# KiCad board BPS-Leader.kicad_pcb
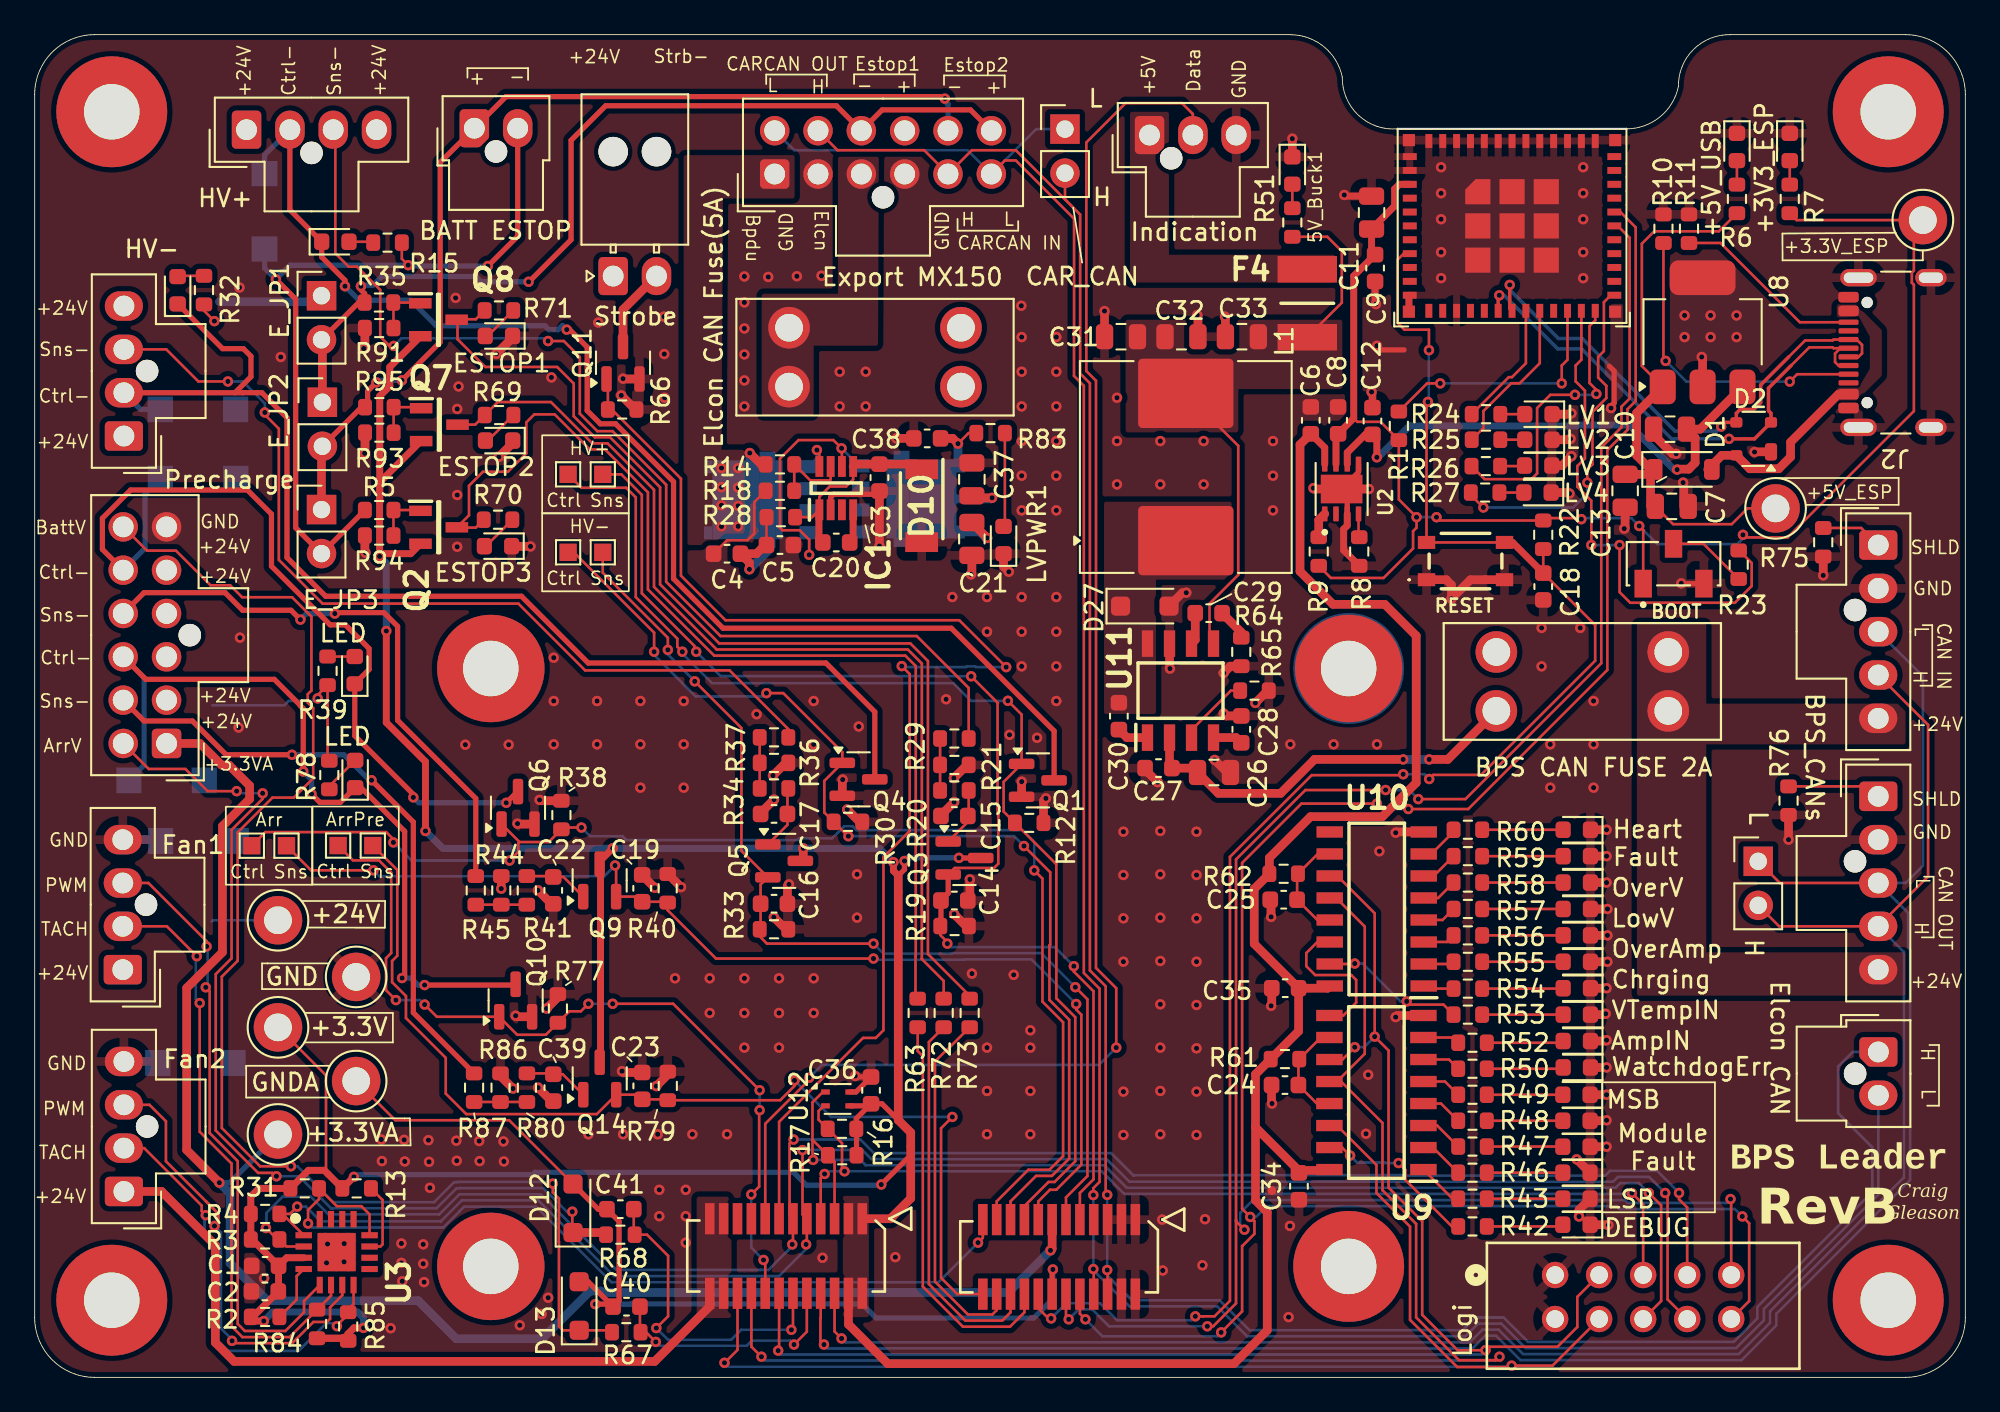
[diagram p0: board, top side]
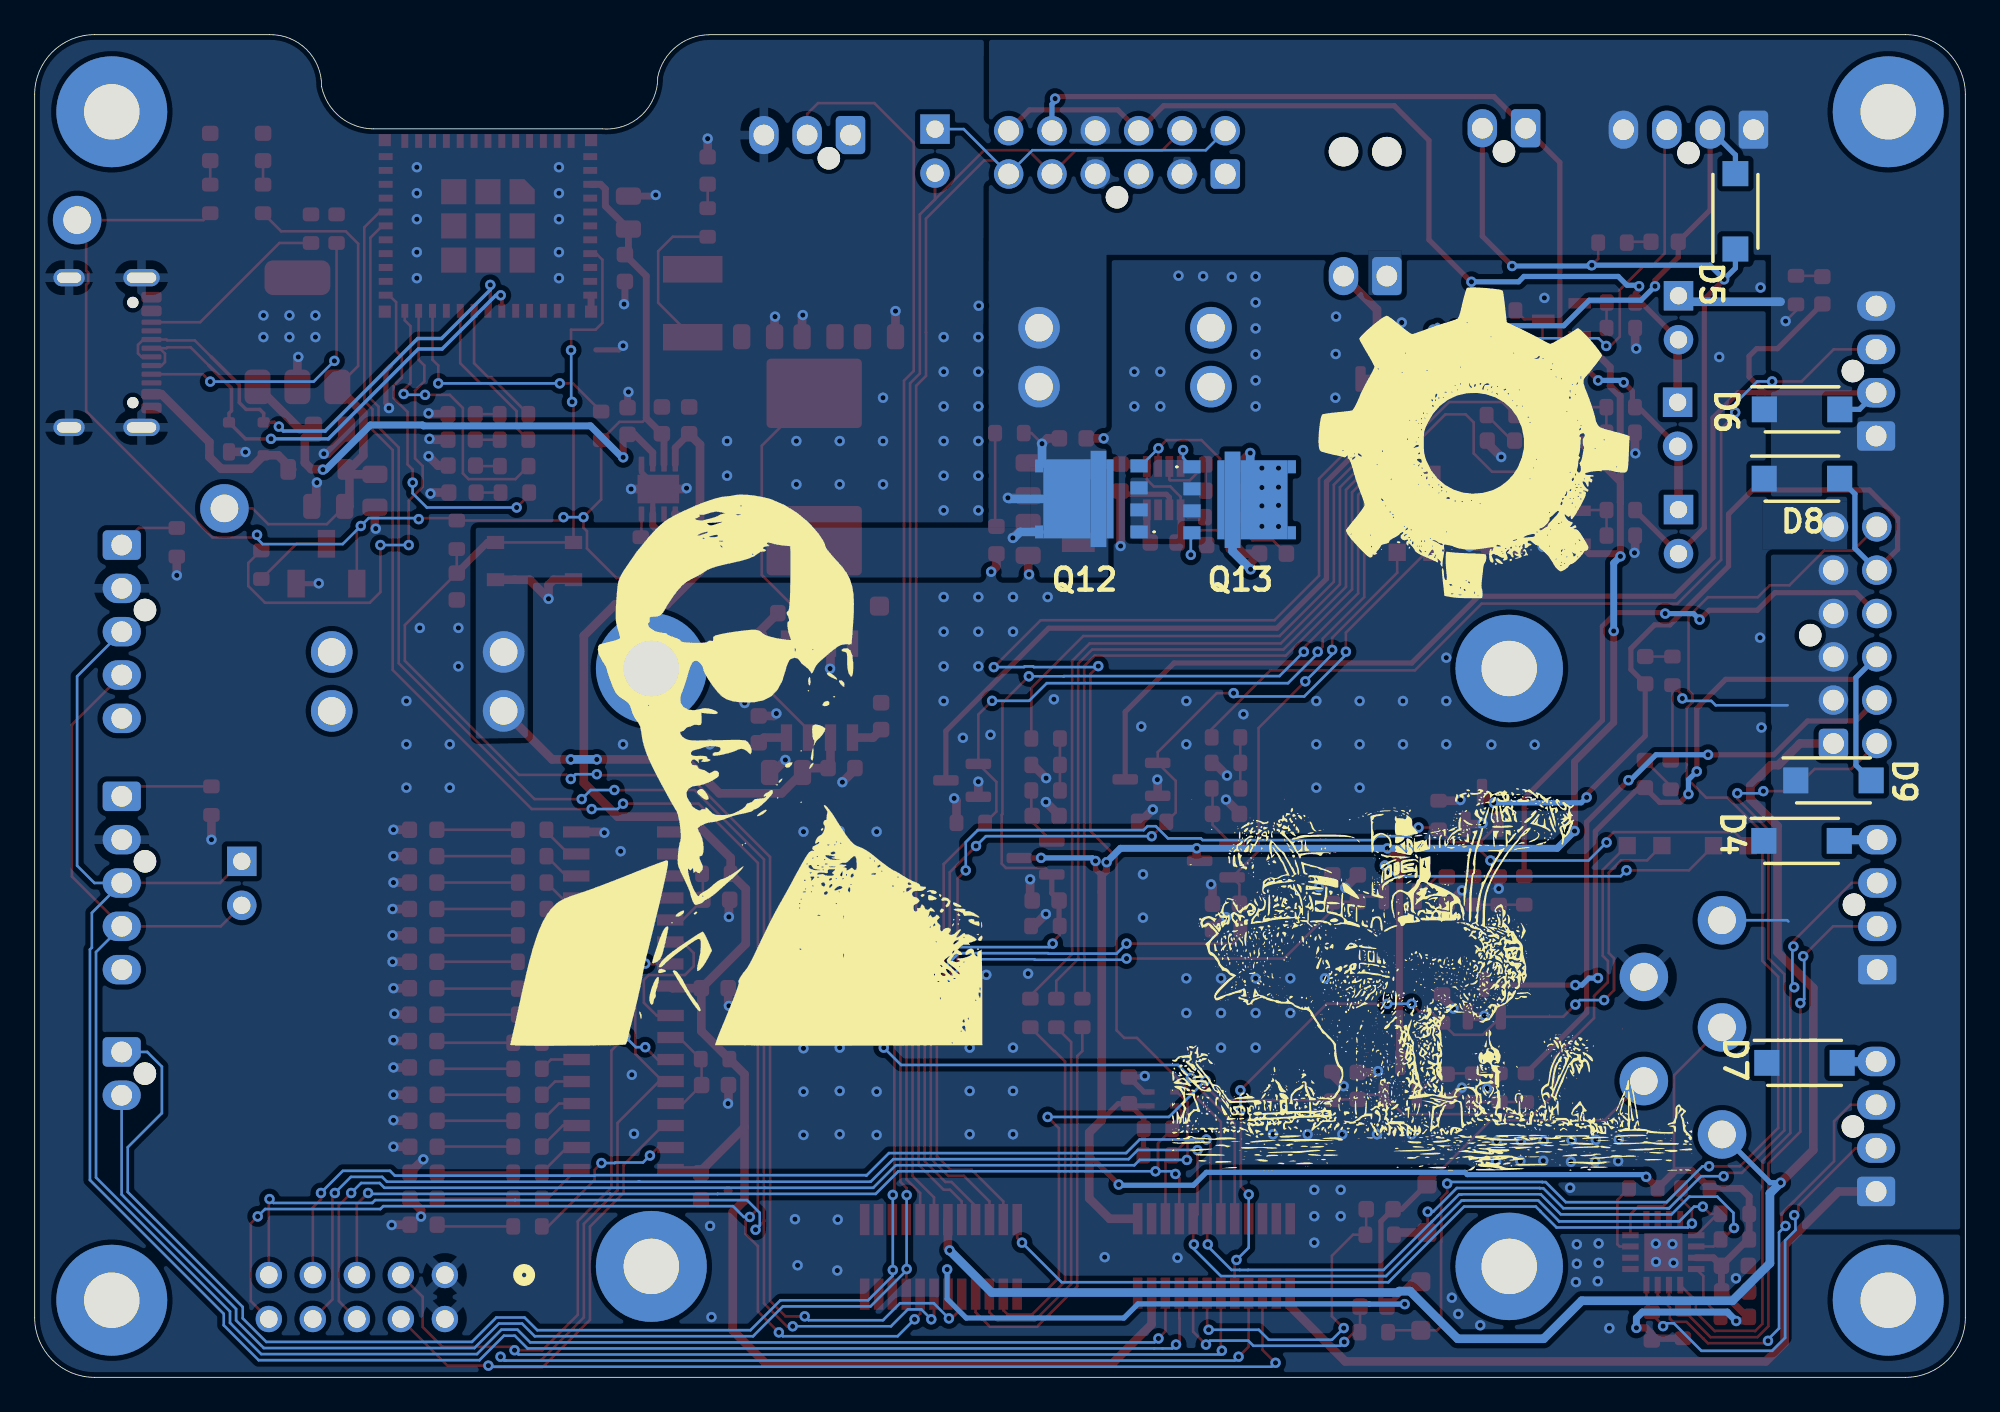
[diagram p1: board, bottom side, seen from below]

Outline 111.4 x 77.48 mm; copper layers: Top, Bottom. Coordinates in mm from the lower left corner of the outline.
Outline path: 72.45,77.48 3.45,77.48 arc(1.01,76.46) 0,74.03 0,3.45 arc(1.01,1.01) 3.45,0 107.95,0 arc(110.39,1.01) 111.4,3.45 111.4,74.03 arc(110.39,76.46) 107.95,77.48 97.84,77.48 ; 72.45,77.47 arc(74.39,76.78) 75.45,75.03 arc(76.38,72.82) 78.64,72.04 91.85,72.04 arc(93.78,72.73) 94.85,74.49 arc(95.71,76.62) 97.85,77.48
Stack: Top 0.035mm / dielectric 1.51mm FR4 er 4.5 / Bottom 0.035mm

## Placement (name value [footprint] x y rotation side)
5V_Buck1  5V_Buck  [LED_0603_1608Metric]  72.57 69.64 270 top
Array1  LED  [LED_0603_1608Metric]  18.47 40.81 90 top
ArrayPre1  LED  [LED_0603_1608Metric]  18.49 34.82 90 top
C1  1u  [C_0603_1608Metric]  13.3 6.43 180 top
C2  1u  [C_0603_1608Metric]  13.28 4.96 180 top
C3  1u  [C_0603_1608Metric]  48.74 51.92 90 top
C4  0.1u  [C_0603_1608Metric]  39.95 47.53 180 top
C5  1u  [C_0603_1608Metric]  43 48.03 0 top
C6  0.1u  [C_0603_1608Metric]  73.63 55.22 90 top
C7  10u  [C_0805_2012Metric]  94.46 50.26 0 top
C8  0.1u  [C_0603_1608Metric]  75.21 55.22 90 top
C9  0.1u  [C_0603_1608Metric]  77.34 64.01 270 top
C10  10u  [C_0805_2012Metric]  94.36 54.71 180 top
C11  10u  [C_0805_2012Metric]  77.14 67.21 90 top
C12  0.1u  [C_0603_1608Metric]  77.19 55.18 90 top
C13  10u  [C_0805_2012Metric]  91.77 51.16 270 top
C14  1u  [C_0603_1608Metric]  53.07 27.51 180 top
C15  0.1u  [C_0603_1608Metric]  53.07 32.39 0 top
C16  1u  [C_0603_1608Metric]  42.66 27.33 180 top
C17  0.1u  [C_0603_1608Metric]  42.66 32.51 0 top
C18  0.1u  [C_0603_1608Metric]  87.05 45.63 270 top
C19  1u  [C_0603_1608Metric]  35.05 28.22 270 top
C20  220n  [C_0603_1608Metric]  46.25 48.17 0 top
C21  10u  [C_0805_2012Metric]  54.08 48.38 270 top
C22  0.1u  [C_0603_1608Metric]  29.92 28.1 90 top
C23  1u  [C_0603_1608Metric]  35.06 16.82 270 top
C24  0.1u  [C_0603_1608Metric]  72.14 16.87 180 top
C25  0.1u  [C_0603_1608Metric]  72.07 27.56 180 top
C26  10u  [C_0805_2012Metric]  68.05 34.9 0 top
C27  1u  [C_0603_1608Metric]  64.85 35.15 180 top
C28  10n  [C_0603_1608Metric]  69.62 37.39 90 top
C29  3.3n  [C_0603_1608Metric]  67.74 44.09 0 top
C30  0.1u  [C_0603_1608Metric]  62.56 38.15 90 top
C31  10u  [C_0805_2012Metric]  62.68 60.05 180 top
C32  10u  [C_0805_2012Metric]  66.17 60.05 0 top
C33  10u  [C_0805_2012Metric]  69.66 60.05 180 top
C34  0.1u  [C_0603_1608Metric]  72.95 11.03 270 top
C35  0.1u  [C_0603_1608Metric]  72.16 22.45 180 top
C36  1u  [C_0603_1608Metric]  48.26 16.56 90 top
C37  10u  [C_0805_2012Metric]  54.08 51.82 90 top
C38  0.1u  [C_0603_1608Metric]  51.5 54.18 180 top
C39  0.1u  [C_0603_1608Metric]  29.93 16.71 90 top
C40  0.1u  [C_0603_1608Metric]  34.15 4.08 0 top
C41  0.1u  [C_0603_1608Metric]  33.79 9.7 0 top
D1  1N5819HW-7-F  [D_SOD-123]  95.12 52.39 0 top
D2  SP0503BAHT  [SOT-143]  99.19 54.15 180 top
D3  PWR  [LED_0603_1608Metric]  98.22 70.99 270 top
D4  VSSAF522-M3/H  [SODFL5226X100N]  9.45 30.96 180 bottom
D5  VSSAF522-M3/H  [SODFL5226X100N]  13.27 67.28 90 bottom
D6  VSSAF522-M3/H  [SODFL5226X100N]  9.42 55.86 180 bottom
D7  VSSAF522-M3/H  [SODFL5226X100N]  9.28 18.15 180 bottom
D8  VSSAF522-M3/H  [SODFL5226X100N]  9.43 51.86 180 bottom
D9  VSSAF522-M3/H  [SODFL5226X100N]  7.61 34.45 180 bottom
D10  SMAF4758A  [SODFL4724X108N]  51.18 50.29 270 top
D11  PWR  [LED_0603_1608Metric]  101.27 70.99 270 top
D12  TVS  [D_SOD-123F]  31.06 9.75 90 top
D13  TVS  [D_SOD-123F]  31.42 4.12 90 top
D14  DEBUG  [LED_0603_1608Metric]  88.96 8.81 180 top
D15  ModuleFault[0]  [LED_0603_1608Metric]  88.96 10.31 180 top
D16  ModuleFault[1]  [LED_0603_1608Metric]  88.96 11.81 180 top
D17  ModuleFault[2]  [LED_0603_1608Metric]  88.96 13.31 180 top
D18  ModuleFault[3]  [LED_0603_1608Metric]  88.96 14.81 180 top
D19  ModuleFault[4]  [LED_0603_1608Metric]  88.96 16.31 180 top
D20  WatchdogErr  [LED_0603_1608Metric]  88.98 17.88 180 top
D21  AmpIN  [LED_0603_1608Metric]  88.98 19.41 180 top
D22  VTempIN  [LED_0603_1608Metric]  88.98 20.93 180 top
D23  Chrging  [LED_0603_1608Metric]  88.98 22.45 180 top
D24  OverTemp  [LED_0603_1608Metric]  88.98 23.98 180 top
D25  OverAmp  [LED_0603_1608Metric]  88.98 25.5 180 top
D26  LowV  [LED_0603_1608Metric]  88.98 27.03 180 top
D27  MBR230S1F  [D_SOD-123F]  64.06 44.5 0 top
D28  Fault  [LED_0603_1608Metric]  88.98 30.07 180 top
D29  Heart  [LED_0603_1608Metric]  88.98 31.6 180 top
D30  OverV  [LED_0603_1608Metric]  88.98 28.55 180 top
D31  HV-  [LED_0603_1608Metric]  8.25 62.73 90 top
D32  HV+  [LED_0603_1608Metric]  17.35 65.53 0 top
E_JP1  Jumper_2_Open  [PinHeader_1x02_P2.54mm_Vertical]  16.55 62.41 0 top
E_JP2  Jumper_2_Open  [PinHeader_1x02_P2.54mm_Vertical]  16.6 56.26 0 top
E_JP3  Jumper_2_Open  [PinHeader_1x02_P2.54mm_Vertical]  16.55 50.07 0 top
ESTOP1  LED  [LED_0603_1608Metric]  26.79 60.09 180 top
ESTOP2  LED  [LED_0603_1608Metric]  26.8 54.05 180 top
ESTOP3  LED  [LED_0603_1608Metric]  26.74 47.96 180 top
F2  -  [3568]  48.49 58.87 0 top
F3  -  [3568]  89.3 40.16 180 top
F4  SMD1812B300TFT  [FUSC4632X165N]  73.43 61.98 90 top
FAN1  Conn_01x04  [Molex_Nano-Fit_105309-xx04_1x04_P2.50mm_Vertical]  5.09 23.53 180 top
FAN2  Conn_01x04  [Molex_Nano-Fit_105309-xx04_1x04_P2.50mm_Vertical]  5.15 10.73 180 top
H1  MountingHole_Pad  [MountingHole_3.2mm_M3_Pad_TopBottom]  4.45 4.45 0 top
H2  MountingHole_Pad  [MountingHole_3.2mm_M3_Pad_TopBottom]  4.45 73.03 0 top
H3  MountingHole_Pad  [MountingHole_3.2mm_M3_Pad_TopBottom]  106.95 4.45 0 top
H4  MountingHole_Pad  [MountingHole_3.2mm_M3_Pad_TopBottom]  106.95 73.03 0 top
IC1  LM74502HDDFR  [SOT65P280X110-8N]  46.25 51.31 90 top
J1  ~  [LeaderSOM]  51.23 0.95 180 top
J2  USB_C_Receptacle_USB2.0_16P  [USB_C_Receptacle_GCT_USB4105-xx-A_16P_TopMnt_Horizontal]  108.34 59.13 90 top
J3  Conn_01x02  [Molex_Nano-Fit_105313-xx02_1x02_P2.50mm_Horizontal]  33.38 63.55 90 top
J5  Conn_02x06_Counter_Clockwise  [Molex_Nano-Fit_105310-xx12_2x06_P2.50mm_Vertical]  42.7 69.43 90 top
J6  ContactorConnector  [Molex_Nano-Fit_105309-xx04_1x04_P2.50mm_Vertical#2]  15.3 71.73 90 top
J8  CarCANConnector  [Molex_Nano-Fit_105309-xx02_1x02_P2.50mm_Vertical]  106.38 18.78 0 top
J9  ContactorConnector  [Molex_Nano-Fit_105309-xx04_1x04_P2.50mm_Vertical#2]  5.41 57.39 180 top
J10  Conn_01x02  [Molex_Nano-Fit_105309-xx02_1x02_P2.50mm_Vertical]  25.37 72.08 90 top
J11  Conn_02x06_Counter_Clockwise  [Molex_Nano-Fit_105310-xx12_2x06_P2.50mm_Vertical]  7.61 36.58 180 top
J15  Conn_01x05  [Molex_Nano-Fit_105309-xx05_1x05_P2.50mm_Vertical]  106.38 48.03 0 top
J16  Conn_01x05  [Molex_Nano-Fit_105309-xx05_1x05_P2.50mm_Vertical]  106.38 33.53 0 top
J18  Conn_01x03  [Molex_Nano-Fit_105309-xx03_1x03_P2.50mm_Vertical]  64.33 71.68 90 top
J21  SFH11-PBPC-D05-ST-BK  [CONN_SFH11-xxxC-D05-ST-XX_SUL]  87.73 5.91 0 top
L1  100uH  [L_Coilcraft_MSS1246-XXX]  66.42 52.53 90 top
LOGO1  LHRs  [LHRs_LOGO]  68.24 54.84 180 bottom
LOGO2  Dr. Hallock  [Hallock_Image]  71.45 35.43 180 bottom
LOGO3  -  [Beach]  30.77 23.58 180 bottom
LOGO4  -  [Gear]  27.34 53.94 180 bottom
LV1  LED  [LED_0603_1608Metric]  86.77 55.58 180 top
LV2  LED  [LED_0603_1608Metric]  86.77 54.1 180 top
LV3  LED  [LED_0603_1608Metric]  86.75 52.61 180 top
LV4  LED  [LED_0603_1608Metric]  86.71 51.05 180 top
LVPWR1  LED  [LED_0603_1608Metric]  55.9 48.31 90 top
Q1  IRLML0030  [SOT-23]  57.89 34.45 0 top
Q2  SQ2315CES-T1_GE3  [SOT95P237X112-3N]  23.31 49.05 0 top
Q3  IRLML0030  [SOT-23]  53.65 29.97 0 top
Q4  IRLML0030  [SOT-23]  47.54 34.5 0 top
Q5  IRLML0030  [SOT-23]  43.24 29.8 0 top
Q6  IRLML0030  [SOT-23]  27.89 32.86 90 top
Q7  SQ2315CES-T1_GE3  [SOT95P237X112-3N]  23.35 54.97 0 top
Q8  SQ2315CES-T1_GE3  [SOT95P237X112-3N]  23.3 61.03 0 top
Q9  IRLML0030  [SOT-23]  32.6 28.67 90 top
Q10  IRLML0030  [SOT-23]  27.75 21.74 90 top
Q11  IRLML0030  [SOT-23]  33.95 58.54 90 top
Q12  NVMFWS1D7N04XMT1G  [NVMFWS3D0P04M8LT1G]  50.43 50.69 90 bottom
Q13  NVMFWS1D7N04XMT1G  [NVMFWS3D0P04M8LT1G]  41.88 50.64 270 bottom
Q14  IRLML0030  [SOT-23]  32.6 17.25 90 top
R1  10k  [R_0603_1608Metric]  78.71 54.9 90 top
R2  33k  [R_0603_1608Metric]  13.3 3.49 0 top
R3  10k  [R_0603_1608Metric]  13.3 7.96 0 top
R4  10k  [R_0603_1608Metric]  13.3 9.43 0 top
R5  33k  [R_0603_1608Metric]  19.88 50.04 180 top
R6  1k  [R_0603_1608Metric]  98.22 68 90 top
R7  470  [R_0603_1608Metric]  101.27 68 90 top
R8  1k  [R_0603_1608Metric]  76.43 47.65 270 top
R9  10k  [R_0603_1608Metric]  74.09 47.65 90 top
R10  5.1k  [R_0603_1608Metric]  93.98 66.28 90 top
R11  5.1k  [R_0603_1608Metric]  95.45 66.28 90 top
R12  10k  [R_0603_1608Metric]  57.39 31.99 180 top
R13  33k  [R_0603_1608Metric]  18.58 10.9 0 top
R14  200k  [R_0603_1608Metric]  43 52.68 0 top
R15  4.3k  [R_0603_1608Metric]  20.36 65.48 0 top
R16  10k  [R_0603_1608Metric]  46.58 14.34 180 top
R17  10k  [R_0603_1608Metric]  46.6 12.81 180 top
R18  9k  [R_0603_1608Metric]  43 51.16 180 top
R19  10k  [R_0603_1608Metric]  53.08 26.04 0 top
R20  1k  [R_0603_1608Metric]  53.07 33.86 180 top
R21  10k  [R_0603_1608Metric]  53.07 35.34 180 top
R22  10k  [R_0603_1608Metric]  87.05 48.62 270 top
R23  10k  [R_0603_1608Metric]  98.32 46.89 90 top
R24  470  [R_0603_1608Metric]  83.74 55.58 0 top
R25  470  [R_0603_1608Metric]  83.74 54.1 0 top
R26  470  [R_0603_1608Metric]  83.73 52.58 0 top
R27  470  [R_0603_1608Metric]  83.69 51.05 0 top
R28  10k  [R_0603_1608Metric]  43.05 49.63 0 top
R29  10k  [R_0603_1608Metric]  53.07 36.86 0 top
R30  10k  [R_0603_1608Metric]  46.93 32.05 180 top
R31  10k  [R_0603_1608Metric]  15.58 10.9 0 top
R32  4.3k  [R_0603_1608Metric]  9.77 62.74 270 top
R33  10k  [R_0603_1608Metric]  42.66 25.85 0 top
R34  1k  [R_0603_1608Metric]  42.66 33.98 180 top
R35  33k  [R_0603_1608Metric]  19.87 62.02 180 top
R36  10k  [R_0603_1608Metric]  42.66 35.46 180 top
R37  10k  [R_0603_1608Metric]  42.66 36.93 0 top
R38  10k  [R_0603_1608Metric]  30.39 32.44 270 top
R39  4.3k  [R_0603_1608Metric]  16.9 40.77 270 top
R40  10k  [R_0603_1608Metric]  36.53 28.22 90 top
R41  1k  [R_0603_1608Metric]  28.4 28.1 270 top
R42  470  [R_0603_1608Metric]  82.96 8.71 0 top
R43  470  [R_0603_1608Metric]  82.96 10.31 0 top
R44  10k  [R_0603_1608Metric]  26.92 28.1 270 top
R45  10k  [R_0603_1608Metric]  25.45 28.1 90 top
R46  470  [R_0603_1608Metric]  82.96 11.81 0 top
R47  470  [R_0603_1608Metric]  82.96 13.32 0 top
R48  470  [R_0603_1608Metric]  82.96 14.81 0 top
R49  470  [R_0603_1608Metric]  82.96 16.31 0 top
R50  470  [R_0603_1608Metric]  82.96 17.81 0 top
R51  1k  [R_0603_1608Metric]  72.57 66.64 90 top
R52  470  [R_0603_1608Metric]  82.96 19.31 0 top
R53  470  [R_0603_1608Metric]  82.7 20.93 0 top
R54  470  [R_0603_1608Metric]  82.7 22.43 0 top
R55  470  [R_0603_1608Metric]  82.7 23.98 0 top
R56  470  [R_0603_1608Metric]  82.7 25.5 0 top
R57  470  [R_0603_1608Metric]  82.7 27.03 0 top
R58  470  [R_0603_1608Metric]  82.7 28.55 0 top
R59  470  [R_0603_1608Metric]  82.7 30.07 0 top
R60  470  [R_0603_1608Metric]  82.7 31.6 0 top
R61  10k  [R_0603_1608Metric]  72.14 18.36 0 top
R62  10k  [R_0603_1608Metric]  72.07 29.06 0 top
R63  10k  [R_0603_1608Metric]  50.95 21.03 270 top
R64  16k  [R_0603_1608Metric]  69.62 41.86 270 top
R65  ROSC  [R_0603_1608Metric]  70.38 39.62 0 top  (not fitted)
R66  10k  [R_0603_1608Metric]  33.9 55.85 0 top
R67  1k  [R_0603_1608Metric]  34.14 2.61 180 top
R68  1k  [R_0603_1608Metric]  33.79 8.23 180 top
R69  470  [R_0603_1608Metric]  26.8 55.53 0 top
R70  470  [R_0603_1608Metric]  26.74 49.49 0 top
R71  470  [R_0603_1608Metric]  26.79 61.56 0 top
R72  10k  [R_0603_1608Metric]  52.45 21.03 270 top
R73  10k  [R_0603_1608Metric]  53.95 21.03 270 top
R75  0  [R_0603_1608Metric]  103.2 48.19 90 top
R76  0  [R_0603_1608Metric]  101.2 33.28 90 top
R77  10k  [R_0603_1608Metric]  30.19 21.29 270 top
R78  4.3k  [R_0603_1608Metric]  17 34.76 90 top
R79  10k  [R_0603_1608Metric]  36.53 16.82 90 top
R80  1k  [R_0603_1608Metric]  28.4 16.71 270 top
R83  4.3k  [R_0603_1608Metric]  55.16 54.48 0 top
R84  10k  [R_0603_1608Metric]  16.29 3.08 90 top
R85  10k  [R_0603_1608Metric]  18.09 2.94 90 top
R86  10k  [R_0603_1608Metric]  26.88 16.71 270 top
R87  10k  [R_0603_1608Metric]  25.36 16.71 90 top
R91  10k  [R_0603_1608Metric]  19.88 60.55 0 top
R93  10k  [R_0603_1608Metric]  19.89 54.51 0 top
R94  10k  [R_0603_1608Metric]  19.88 48.57 0 top
R95  33k  [R_0603_1608Metric]  19.89 55.98 180 top
SW1  RESET  [TL3365AF180QG]  82.56 47.1 0 top
SW2  BOOT  [SW_CJS-1200TA]  94.56 46.95 0 top
TP1  +3.3VA  [TestPoint_Keystone_5005-5009_Compact]  14.04 14.02 180 top
TP2  CanTestPoint  [PinHeader_1x02_P2.54mm_Vertical]  99.45 29.78 0 top
TP3  CanTestPoint  [PinHeader_1x02_P2.54mm_Vertical]  59.45 72.03 0 top
TP4  HV+Ctrl  [TestPoint_Pad_1.0x1.0mm]  30.78 52.11 270 top
TP5  GNDA  [TestPoint_Keystone_5005-5009_Compact]  18.55 17.09 180 top
TP7  HV+Sns  [TestPoint_Pad_1.0x1.0mm]  32.78 52.11 270 top
TP9  HV-Ctrl  [TestPoint_Pad_1.0x1.0mm]  30.78 47.61 0 top
TP11  HV-Sns  [TestPoint_Pad_1.0x1.0mm]  32.78 47.61 180 top
TP13  ArrCtrl  [TestPoint_Pad_1.0x1.0mm]  12.53 30.68 270 top
TP14  ArrSns  [TestPoint_Pad_1.0x1.0mm]  14.53 30.68 270 top
TP16  ArrPreCtrl  [TestPoint_Pad_1.0x1.0mm]  17.51 30.69 270 top
TP17  ArrPreSns  [TestPoint_Pad_1.0x1.0mm]  19.51 30.69 90 top
TP30  GND  [TestPoint_Keystone_5005-5009_Compact]  18.55 23.11 180 top
TP31  +3.3V  [TestPoint_Keystone_5005-5009_Compact]  14.04 20.2 180 top
TP33  +24V  [TestPoint_Keystone_5005-5009_Compact]  14.04 26.38 0 top
TP47  +3.3V_ESP  [TestPoint_Keystone_5005-5009_Compact]  108.95 66.78 0 top
TP48  +5V_USB  [TestPoint_Keystone_5005-5009_Compact]  100.45 50.14 0 top
U1  ESP32-C6-MINI-1/U  [ESP32-C6-MINI-1]  85.24 69.14 0 top
U2  TPS2115ADRBR  [SON65P300X300X100-9N]  75.41 51.26 90 top
U3  EMC2305-1-AP-TR  [QFN65P400X400X90-17N-D]  17.42 7.23 0 top
U8  LT1963AEST-3.3#TRPBF  [SOT-223-3_TabPin2]  96.24 60.3 90 top
U9  SN74HC594DR  [SOIC127P600X175-16N]  77.42 16.43 180 top
U10  SN74HC594DR  [SOIC127P600X175-16N]  77.44 27.03 180 top
U11  -  [TPS5405DR]  66.12 39.62 90 top
U12  SHT4x  [Sensirion_DFN-4_1.5x1.5mm_P0.8mm_SHT4x_NoCentralPad]  46.33 16.07 0 top

## Library data of the parts
5V_Buck1 D15-D19 LV1-LV4 = -: Datasheet: https://www.lcsc.com/datasheet/C84263.pdf; Description: Light emitting diode; Sim.Pins: 1=K 2=A; Manufactuerer: NATIONSTAR; P/N: NCD0603R1; LCSC: C7371904; ki_fp_filters: LED* LED_SMD:* LED_THT:*
Array1 ArrayPre1 D14 D20-D22 D31 D32 ESTOP1-ESTOP3 = -: Datasheet: https://www.lcsc.com/datasheet/C84263.pdf; Description: Light emitting diode; Sim.Pins: 1=K 2=A; Manufactuerer: NATIONSTAR; P/N: NCD0603R1; LCSC: C84263; ki_fp_filters: LED* LED_SMD:* LED_THT:*
C1 C2 = -: Datasheet: https://ds.yuden.co.jp/TYCOMPAS/or/download?pn=MLAST063SCG681JFNA01&fileType=CA; Description: Unpolarized capacitor, small symbol; P/N: MLASU168SB5105KTNA01; Manufactuerer: TAIYO YUDEN; LCSC: C15849; ki_fp_filters: C_*
C3 C14 C16 C19 C23 = -: Description: Unpolarized capacitor; P/N: UMK107BJ105KA-T; Mouser Part Number: 963-UMK107BJ105KA-T; LCSC: C15849; ki_fp_filters: C_*
C4 C15 C17 C22 C38-C41 = -: Description: Unpolarized capacitor; P/N: HMK107B7104KA-T; Mouser Part Number: 963-HMK107B7104KA-T; LCSC: C14663; ki_fp_filters: C_*
C5 = -: Description: Unpolarized capacitor; P/N: HMK107B7104KA-T; Mouser Part Number: 963-HMK107B7104KA-T; LCSC: C15849; ki_fp_filters: C_*
C6 C8 C12 C30 = -: Datasheet: https://ds.yuden.co.jp/TYCOMPAS/or/download?pn=MLAST063SCG681JFNA01&fileType=CA; Description: Unpolarized capacitor; P/N: MLASH168SB7104KTNA01; Manufactuerer: TAIYO YUDEN; LCSC: C14663; ki_fp_filters: C_*
C7 C10 C13 C26 C31-C33 = -: Datasheet: https://www.mouser.com/datasheet/3/76/1/GRM21BR61H106KE43_01A.pdf; Description: Unpolarized capacitor; P/N: GRM21BR61H106KE43K; Manufactuerer: Murata Electronics; LCSC: C440198; ki_fp_filters: C_*
C9 C18 C24 C25 C34 C35 = -: Datasheet: https://ds.yuden.co.jp/TYCOMPAS/or/download?pn=MLAST063SCG681JFNA01&fileType=CA; Description: Unpolarized capacitor; Manufactuerer: TAIYO YUDEN; P/N: MLASH168SB7104KTNA01; LCSC: C14663; ki_fp_filters: C_*
C11 = -: Datasheet: https://www.mouser.com/datasheet/3/76/1/GRM21BR61H106KE43_01A.pdf; Description: Unpolarized capacitor; Manufactuerer: Murata Electronics; P/N: GRM21BR61H106KE43K; LCSC: C440198; ki_fp_filters: C_*
C20 = -: Description: Unpolarized capacitor; P/N: MSASU168SB7224KTNB25; Mouser Part Number: 963-MSASU168SB7224KT; LCSC: C344195; ki_fp_filters: C_*
C21 C37 = -: Description: Unpolarized capacitor; P/N: GRM21BR61H106KE43K; Mouser Part Number: 81-GRM21BR61H106KE3K; LCSC: C440198; ki_fp_filters: C_*
C27 = -: Datasheet: https://ds.yuden.co.jp/TYCOMPAS/or/download?pn=MLAST063SCG681JFNA01&fileType=CA; Description: Unpolarized capacitor; P/N: MLASU168SB5105KTNA01; Manufactuerer: TAIYO YUDEN; LCSC: C15849; ki_fp_filters: C_*
C28 = -: Datasheet: https://www.mouser.com/catalog/specsheets/Tayio_Yuden_1102023_MS_mlcc_all_e.pdf; Description: Unpolarized capacitor; P/N: MSASH168SB5103KTNA01; Manufactuerer: TAIYO YUDEN; LCSC: C57112; ki_fp_filters: C_*
C29 = -: Datasheet: https://datasheets.kyocera-avx.com/AutoMLCCKAM.pdf; Description: Unpolarized capacitor; P/N: 06035C332K4T2A; Manufactuerer: KYOCERA AVX; LCSC: C107088; ki_fp_filters: C_*
C36 = -: Datasheet: https://ds.yuden.co.jp/TYCOMPAS/or/download?pn=MLAST063SCG681JFNA01&fileType=CA; Description: Unpolarized capacitor; Manufactuerer: TAIYO YUDEN; P/N: MLASU168SB5105KTNA01; LCSC: C15849; ki_fp_filters: C_*
D1 = -: Datasheet: https://4donline.ihs.com/images/VipMasterIC/IC/DIOD/DIOD-S-A0011437026/DIOD-S-A0011683586-1.pdf?hkey=CECEF36DEECDED6468708AAF2E19C0C6; Description: Schottky diode; Manufactuerer: Diodes Incorporated; LCSC: C82544; ki_fp_filters: TO-???* *_Diode_* *SingleDiode* D_*
D2 = -: Datasheet: https://www.littelfuse.com/assetdocs/tvs-diode-array-spasp050xba-lead-free-green-datasheet?assetguid=15A03DE1-F0C6-457A-95F1-55D449FDD756; Mouser Part Number: 576-SP0503BAHTG; P/N: SP0503BAHTG; Manufactuerer: Littelfuse; LCSC: C41364459; ki_fp_filters: SOT?143*
D3 D11 = -: Datasheet: https://www.lcsc.com/datasheet/C84263.pdf; Description: Light emitting diode; P/N: NCD0603R1; Sim.Pins: 1=K 2=A; Manufactuerer: NATIONSTAR; LCSC: C7371904; ki_fp_filters: LED* LED_SMD:* LED_THT:*
D4-D7 D9 = -: Datasheet: https://www.mouser.com/ProductDetail/Vishay-General-Semiconductor/VSSAF522-M3-H?qs=UkDUCjYnTB00gpgD%2Fb%2Fw%252BA%3D%3D; Manufactuerer: Vishay General Semiconductor; LCSC: C6326606; ki_fp_filters: TO?247*
D8 = -: Datasheet: https://www.wolfspeed.com/media/downloads/103/C3D25170H.pdf; Description: 1700V, 25A, SiC Schottky Diode, TO-247; Manufactuerer: Vishay General Semiconductor; LCSC: C6326606; ki_fp_filters: TO?247*
D10 = -: Datasheet: https://www.mouser.com/datasheet/3/225/1/SMAF4735A_SMAF4764A_DO_221AC_.pdf; Description: Zener diode; LCSC: C183490; ki_fp_filters: TO-???* *_Diode_* *SingleDiode* D_*
D12 D13 = -: Datasheet: https://www.littelfuse.com/assetdocs/tvs-diodes-smf3?assetguid=2e80cd26-b0c3-442f-9d77-27a283ccff4f; Description: Zener diode; P/N: SMF3.3; Mouser Part Number: 576-SMF3.3; LCSC: C283866; ki_fp_filters: TO-???* *_Diode_* *SingleDiode* D_*
D23-D26 D28-D30 = -: Datasheet: https://jlcpcb.com/api/file/downloadByFileSystemAccessId/8590904519540613120; Description: Light emitting diode; Sim.Pins: 1=K 2=A; Manufactuerer: XINGLIGHT; P/N: XL-1608UBC-06A; LCSC: C84263; ki_fp_filters: LED* LED_SMD:* LED_THT:*
D27 = -: Datasheet: https://www.mouser.com/datasheet/3/101/1/SS26FL-D.PDF; Description: Schottky diode; P/N: SS24FL; Manufactuerer: onsemi / Fairchild; LCSC: C41408002; ki_fp_filters: TO-???* *_Diode_* *SingleDiode* D_*
E_JP1-E_JP3 = -: Description: Jumper, 2-pole, open; ki_fp_filters: Jumper* TestPoint*2Pads* TestPoint*Bridge*
F2 F3 = -: Description: Fuse; LCSC: C5249699; ki_fp_filters: *Fuse*
F4 = -: Datasheet: https://www.yageo.com/upload/media/product/productsearch/datasheet/cpc/pptc/SMD1812_1.pdf; Description: Polymeric PTC Resettable Fuse 6V 3 A Ih Surface Mount 1812 (4532 Metric), Concave; Height: 1.65; Mouser Part Number: 603-SMD1812B300TFT; Mouser Price/Stock: https://www.mouser.co.uk/ProductDetail/YAGEO/SMD1812B300TFT?qs=0lSvoLzn4L%252BUTwukZpvWFw%3D%3D; Manufacturer_Name: YAGEO; Manufactuerer: YAGEO; LCSC: C269149; ki_fp_filters: *Fuse*
FAN1 FAN2 = -: Description: Generic connector, single row, 01x04, script generated (kicad-library-utils/schlib/autogen/connector/); ki_fp_filters: Connector*:*_1x??_*
H1-H4 = -: Description: Mounting Hole with connection; ki_fp_filters: MountingHole*Pad*
IC1 = -: Datasheet: https://www.ti.com/lit/ds/symlink/lm74502h.pdf?HQS=dis-mous-null-mousermode-dsf-pf-null-wwe&ts=1659509238199&ref_url=https%253A%252F%252Fwww.mouser.vn%252F; Description: Hot Swap Voltage Controllers 3.2-V to 65-V industrial RPP controller with load disconnect, OVP, and high gate drive; Height: 1.1; Mouser Part Number: 595-LM74502HDDFR; Mouser Price/Stock: https://www.mouser.co.uk/ProductDetail/Texas-Instruments/LM74502HDDFR?qs=t7xnP681wgWDbfat8Yg%252B%2Fg%3D%3D; Manufacturer_Name: Texas Instruments; LCSC: C5219202
J1 = -: Datasheet: https://www.molex.com/en-us/products/part-detail/533072471; Description: Symbol for both board-to-board connectors from the LeaderSOM; Height: 3.55; Mouser Part Number: 538-52465-2470; Mouser Price/Stock: https://www.mouser.co.uk/ProductDetail/Molex/52465-2470?qs=sEN%2FkO1EG6Yhu4DkZwbE7Q%3D%3D; Manufacturer_Name: Molex; P/N: 52465-2470
J2 = -: Datasheet: https://www.usb.org/sites/default/files/documents/usb_type-c.zip; Description: USB 2.0-only 16P Type-C Receptacle connector; P/N: 640-USB4215-03-A; Manufactuerer: GCT`; LCSC: C393939; ki_fp_filters: USB*C*Receptacle*
J3 = -: Description: Generic connector, single row, 01x02, script generated (kicad-library-utils/schlib/autogen/connector/); ki_fp_filters: Connector*:*_1x??_*
J5 J11 = -: Datasheet: https://tools.molex.com/pdm_docs/sd/1053101112_sd.pdf; Description: Generic connector, double row, 02x06, counter clockwise pin numbering scheme (similar to DIP package numbering), script generated (kicad-library-utils/schlib/autogen/connector/); Manufactuerer: Molex; P/N: 105310-1112; ki_fp_filters: Connector*:*_2x??_*
J6 J9 = -: Datasheet: https://tools.molex.com/pdm_docs/sd/1053091204_sd.pdf; Description: Pinout for contactor connectors.; Manufactuerer: Molex; P/N: 105309-1204
J8 = -: Datasheet: https://www.digikey.com/en/products/detail/molex/1053091102/7693146; Description: Connector; P/N: 1053091102
J10 = -: Datasheet: https://tools.molex.com/pdm_docs/sd/1053091102_sd.pdf; Description: Generic connector, single row, 01x02, script generated (kicad-library-utils/schlib/autogen/connector/); Manufactuerer: Molex; P/N: 105309-1102; ki_fp_filters: Connector*:*_1x??_*